# Altium PCB Motor_Board.PcbDoc (continued)
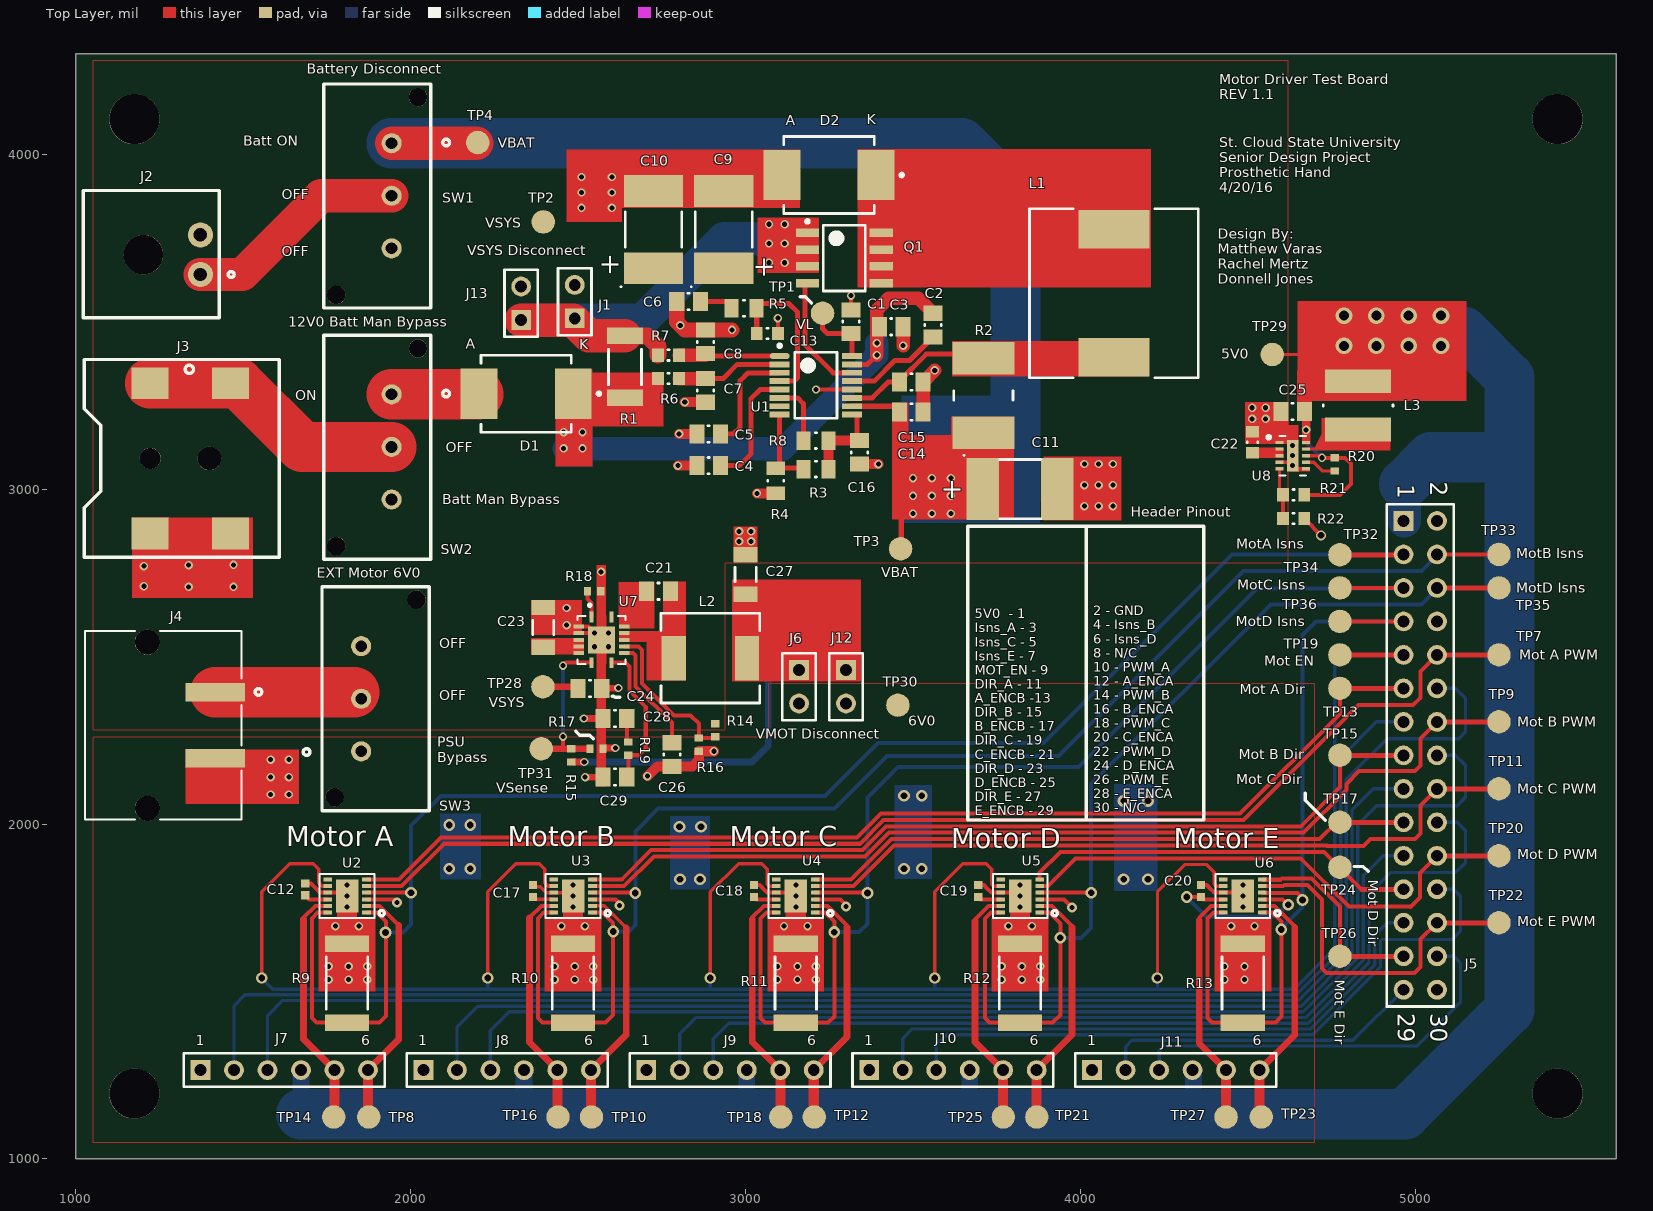
[diagram p0: Top Layer view]
## Part data (continued)
SW1 SW2 SW3: "SWITCH SLIDE SPDT 300MA 125V"
TP1 TP2 TP3 TP4 TP7 TP8 TP9 TP10 TP11 TP12 TP13 TP14 TP15 TP16 TP17 TP18 TP19 TP20 TP21 TP22 TP23 TP24 TP25 TP26 TP27 TP28 TP29 TP30 TP31 TP32 TP33 TP34 TP35 TP36: "Test Pad"
U1: "IC CNTRLR CHARGE LI+ 16-QSOP"
U2 U3 U4 U5 U6: "IC MOTOR DVR DC FULL BR 12TDFN"
U7: "IC REG BUCK ADJ 6A SYNC 14QFN"
U8: "IC REG BUCK BST 5V 0.8A 10WSON"

## Free pads (board coordinates)
  round 150 hole 150 unplated mask+7: ""(1175,4105.01)
  round 150 hole 150 unplated: ""(1175,1195) ""(5425,1195.01) ""(5425,4105.01)

## Via types
v1: diameter 25, hole 15, Top Layer to Bottom Layer, tented both sides, 120 vias
v2: diameter 35, hole 20, Top Layer to Bottom Layer, tented both sides, 28 vias
v3: diameter 25, hole 15, Top Layer to Bottom Layer, 18 vias
v4: diameter 50, hole 30, Top Layer to Bottom Layer, tented both sides, 8 vias
v5: diameter 34, hole 20, Top Layer to Bottom Layer, tented both sides, 5 vias
v6: diameter 30, hole 15, Top Layer to Bottom Layer, tented both sides, 4 vias
v7: diameter 27, hole 15, Top Layer to Bottom Layer, 4 vias
v8: diameter 30, hole 20, Top Layer to Bottom Layer, tented both sides, 1 vias

## Nets (pads, with @x,y where several pads share a name; then routed paths per layer and width w, separated by ;. In a path a pad name is that pad's centre, name@x,y a point inside that pad or via, vN(x,y) a via of type N, cw(c..) or ccw(c..) an arc to the next point about the centre after c; other vN are vias at no path point)
3V3: J5.1
5V0: C25.2 J7.4 J8.4 J9.4 J10.4 J11.4 L3.2 R20.2 R21.1 TP29.1 U8.8 U8.10 | length 7666.4
  Top Layer w10: TP29.1 4758,3402 ; U8.8 4715,3100 v1(4721.31,3093.69)
  Top Layer w12: R21.1 4775,2983 4808,3016 4808,3076 4790.31,3093.69 R20.2 v1(4721.31,3093.69)
  Bottom Layer w12: v1(4674,3177) 4674,3141 v1(4721.31,3093.69)
  Bottom Layer w50: 1672.5,1133 J7.4 ; 2338.12,1139.38 J8.4 ; 3003.75,1136.25 J9.4 ; 3669.38,1143.12 J10.4 ; J11.4 4337.5,1262.5 4337.5,1133
  Bottom Layer w100: 4967,2905 4967,3015
  Bottom Layer w150: 1672.5,1133 4337.5,1133 4969,1133 5281,1445 5281,3095 ; 4967,3015 5047,3095 5281,3095 ; 5041,3470 5144,3470 5281,3333 5281,3095
  other v4: 4787,3428 4883.67,3428 4980.33,3428 5077,3428 4787,3518 4883.67,3518 4980.33,3518 5077,3518
6V0: C12.2 C17.2 C18.2 C19.2 C20.2 J6.2 J12.2 SW3.1 TP30.1 U2.3 U2.10 U3.3 U3.10 U4.3 U4.10 U5.3 U5.10 U6.3 U6.10 | length 1211.7
  Top Layer w10: C17.2@2372.13,1775.16 U3.10
  Top Layer w12: C12.2 1697.13,1775.16 U2.10 ; U2.3 1949.84,1775.16 v6(1959,1766) ; U3.3 2611.84,1775.16 2623,1764 v6(2623,1757) ; C18.2@3032.13,1775.16 U4.10 ; U4.3 3283.84,1775.16 3300,1759 v6(3300,1754) ; C19.2 3702.13,1775.16 U5.10 ; U5.3 3950.84,1775.16 v6(3975.02,1750.98) ; v2(4317.28,1782.28) C20.2 4367.13,1775.16 U6.10 ; U6.3@4543.07,1775.06 4602.94,1775.06 4619,1759 v2(4621,1759)
  Bottom Layer w12: v6@2618,1771 2623,1766 v6(2623,1757) ; v2(4317.28,1782.28) 4375.57,1724 4584,1724 4621,1761 v2(4621,1759)
  other v2: 2804,1835 2864,1835 4129,1835 4202,1835 2115,1866 2178,1866 3473,1866 3526,1866 2803,1992 2867,1992 2115,1997 2178,1997 4129,2069 4202,2069 3473,2084 3526,2084
12V0: D1.2 SW2.1 | length 259.5
  Top Layer w150: SW2.1 D1.2@2202.51,3283
DIR1: J5.11 TP13.1 U2.6 | length 3377.9
  Top Layer w12: U2.6 1965.21,1834.21 2091,1960 3333.26,1960 3404.26,2031 4477,2031 4775,2329 TP13.1
  Top Layer w15: TP13.1 J5.11
DIR2: J5.15 TP15.1 U3.6 | length 2631.2
  Top Layer w12: U3.6 2630.34,1834.21 2718.13,1922 3349,1922 3420,1993 4658,1993 4775,2110 TP15.1
  Top Layer w15: TP15.1 J5.15
DIR3: J5.19 TP17.1 U4.6 | length 1827.7
  Top Layer w12: U4.6 3314.95,1834.21 3435.74,1955 4714,1955 4764,2005 TP17.1
  Top Layer w15: TP17.1 J5.19
DIR4: J5.23 TP24.1 U5.6 | length 1179.1
  Top Layer w12: U5.6@3878.07,1834.93 3878.07,1855.07 3940,1917 4728,1917 4840,1805
  Top Layer w15: 4840,1805 J5.23
DIR5: J5.27 TP26.1 U6.6 | length 606.9
  Top Layer w12: U6.6 4543.76,1833.53 4597.65,1833.53 4601.63,1837.5 4690.5,1837.5 4775,1753 TP26.1
  Top Layer w15: TP26.1 J5.27
ENABLE: J5.9 TP19.1 U2.8 U3.8 U4.8 U5.8 U6.8 | length 7370.4
  Top Layer w10: v5(1555,1540) 1555,1797 1639,1881 1709,1881 1725,1865 1725,1825 1735.47,1814.53 U2.8 ; v5(2230,1540) 2230,1797 2314,1881 2384,1881 2400,1865 2400,1825 2400.47,1825 2409.16,1816.31 ; v5(2895,1540) 2895,1797 2979,1881 3049,1881 3065,1865 3065,1820 3070.47,1814.53 U4.8 ; v5(3565,1540) 3565,1797 3649,1881 3719,1881 3735,1865 3735,1820 3740.47,1814.53 U5.8 ; v5(4230,1540) 4230,1797 4312,1879 4377,1879 4400,1856 4400,1820 4405.47,1814.53 U6.8 ; 2409.16,1816.31 2410.94,1814.53 U3.8 2425.15,1816.31 2409.16,1816.31
  Top Layer w15: TP19.1 J5.9
  Bottom Layer w10: v5(1555,1540) 1588,1507 3565,1507 ; 2230,1508 v5(2230,1540) ; 2895,1508 v5(2895,1540) ; v5(3565,1540) 3565,1507 ; 4230,1508 v5(4230,1540) ; J5.9 4790,2505 4760,2475 4760,1629 4638,1507 3565,1507
GND: C1.2 C3.2 C4.2 C5.2 C6.1 C7.1 C8.1 C9.2 C10.2 C11.2 C12.1 C13.1 C14.2 C15.1 C16.1 C17.1 C18.1 C19.1 C20.1 C22.1 C23.1 C24.1 C25.1 C26.1 C27.1 C28.1 C29.1 D2.2 J2.2 J3.2 J3.3 J4.2 J5.2 J7.1 J8.1 J9.1 J10.1 J11.1 R4.1 R9.1 R10.1 R11.1 R12.1 R13.1 R16.1 R17.1 R18.1 R22.1 U1.12 U2.9 U2.13 U3.9 U3.13 U4.9 U4.13 U5.9 U5.13 U6.9 U6.13 U7.2 U7.3 U7.15 U8.1 U8.4 U8.6 U8.11 | length 2186.8
  Top Layer w10: C17.1@2370,1812.72 2387.28,1812.72 2405.16,1794.84 U3.9 2475.16,1794.84 v3(2485,1785)
  Top Layer w12: C12.1 1701.83,1822.72 1729.7,1794.84 U2.9 U2.13@1800.16,1794.84 ; U7.3 2548.35,2569.69 v7(2549.33,2570.67) 2530.83,2589.17 2501.99,2589.17 U7.2 ; C18.1 3042.28,1817.72 3047,1813 3047,1812.54 3064.7,1794.84 U4.9 3140.16,1794.84 v3(3150,1785) ; C13.1 v1(3096.5,3510.5) ; v1(3210.5,3297.5) U1.12 ; C1.2 v1(3315,3578) ; C19.1 3712.28,1817.72 3717,1813 3717,1812.54 3734.7,1794.84 U5.9 3810.16,1794.84 v3(3820,1785) ; C20.1 4377.28,1817.72 4382,1813 4382,1812.54 4399.7,1794.84 U6.9 4475.16,1794.84 v3(4485,1785) ; R22.1 v8(4718.5,2862)
  Top Layer w20: v1(2517,2315) C28.1 ; v1(2521,2140) C29.1 ; C24.1 v1@2614,2405 ; R17.1@2576.69,2227 v1(2611,2227)
  Top Layer w30: v1(2707,2143) 2708,2143 2736.54,2171.54 C26.1 2841.54,2171.54 2860.39,2190.39 R16.1 v1(2905.28,2217.28) ; v1(2798,3070) C4.2 ; v1(2802,3165) C5.2 ; v1(2818.43,3259.57) C7.1 ; v1(3034.4,2987.6) R4.1 ; C16.1 v1(3396.57,3074.57)
  Top Layer w40: v1(3470.43,3428.43) C3.2 ; C14.2 C15.1 v1(3565,3354.57)
  Top Layer w45: C6.1 2794.57,3499.43 2818.57,3475.43 C8.1 v1(2959.57,3475.43)
  other v1: 1755,1535 1815,1535 1870,1535 2430,1535 2490,1535 2545,1535 3095,1535 3155,1535 3210,1535 3765,1535 3825,1535 3880,1535 4430,1535 4490,1535 1755,1575 1815,1575 1870,1575 2430,1575 2490,1575 2545,1575 3095,1575 3155,1575 3210,1575 3765,1575 3825,1575 3880,1575 4430,1575 4490,1575 1775,1695 1845,1695 2450,1695 2520,1695 3115,1695 3185,1695 3785,1695 3855,1695 4450,1695 4520,1695 1582,2088 1636,2088 1582,2140 1636,2140 1582,2192 1636,2192 2620,2406 2466,2594 2466,2645 1337,2708 1471,2708 1203,2710 2569,2753 1203,2770 1337,2773 1471,2774 2981,2844 3017,2844 2981,2874 3017,2874 4012,2949 4054.5,2949 4097,2949 4012,3012 4054.5,3012 4097,3012 4012,3075 4054.5,3075 4097,3075 4513,3210 4553,3210 4513,3243 4553,3243 2805,3489 2510,3840 2601,3840 2510,3886 2601,3886 2510,3932 2601,3932
  other v3: 1810,1751.54 2485,1751.54 3150,1751.54 3820,1751.54 4485,1751.54 1810,1785 1810,1817.48 2485,1817.48 3150,1817.48 3820,1817.48 4485,1817.48 4634,3070 4634,3100 4634,3130
  other v7: 2549.33,2529.33 2590.67,2529.33 2590.67,2570.67
"MOTOR A ISENSE": J5.3 R9.2 TP32.1 U2.1 U2.4 U2.12 | length 4946.8
  Top Layer w12: U2.12 1722.4,1735.79 1705,1718.38 1705,1420 1718.11,1406.89 R9.2 1906.89,1406.89 1926,1426 1926,1709 1899.21,1735.79 U2.1 ; U2.4 2000.84,1794.84 v2(2001,1795)
  Top Layer w15: TP32.1 4966,2804 J5.3@4967,2805
  Bottom Layer w12: v2(1925,1676) 1977,1676 2001,1700 v2(2001,1795) 2001,1995 2090,2084 3238,2084 3396,2242 3890,2242 4453,2805 J5.3@4967,2805
"MOTOR A M1": J7.6 TP8.1 U2.2 | length 728.1
  Top Layer w12: U2.2 1906.53,1755.47 1964,1698
  Top Layer w20: J7.6 1964,1356.5 1964,1698
  Top Layer w30: TP8.1@1872.5,1127.5 J7.6
"MOTOR A M2": J7.5 TP14.1 U2.11 | length 717.6
  Top Layer w12: 1680,1716 1680,1720.25 1715.22,1755.47 U2.11
  Top Layer w20: 1680,1716 1680,1357.5 J7.5
  Top Layer w30: TP14.1@1772.5,1127.5 J7.5
"MOTOR B ISENSE": J5.4 R10.2 TP33.1 U3.1 U3.4 U3.12 | length 4344.1
  Top Layer w12: U3.12 2397.4,1735.79 2380,1718.38 2380,1420 2393.11,1406.89 R10.2 2581.89,1406.89 2604,1429 2604,1704.54 2572.76,1735.79 U3.1 ; U3.4 2670.16,1794.84 v2(2670.94,1794.06) ; J5.4@5067,2805 TP33.1
  Bottom Layer w12: v2(2605,1679) 2652,1679 2670.94,1697.94 v2(2670.94,1794.06) 2670.94,1977.94 2739,2046 3266,2046 3423,2203 3934,2203 4487,2756 5018,2756 J5.4@5067,2805
"MOTOR B M1": J8.6 TP10.1 U3.2 | length 735
  Top Layer w10: U3.2 2578.53,1755.47 2644,1690
  Top Layer w20: J8.6 2644,1370.88 2644,1690
  Top Layer w30: TP10.1@2538.12,1126.88 J8.6
"MOTOR B M2": J8.5 TP16.1 U3.11 | length 714.3
  Top Layer w12: 2355,1719 2355,1720.25 2390.22,1755.47 U3.11
  Top Layer w20: 2355,1719 2355,1348.12 J8.5
  Top Layer w30: TP16.1@2438.12,1126.88 J8.5
"MOTOR C ISENSE": J5.5 R11.2 TP34.1 U4.1 U4.4 U4.12 | length 3634.1
  Top Layer w12: U4.12 3062.4,1735.79 3045,1718.38 3045,1420 3058.11,1406.89 R11.2 3246.89,1406.89 3265,1425 3265,1708.38 3237.6,1735.79 U4.1 ; U4.4 3363.16,1794.84 v2(3364,1794) ; TP34.1 J5.5@4967,2705
  Bottom Layer w12: v2(3264.84,1677.16) 3339.16,1677.16 3364,1702 v2(3364,1794) 3364,2079 3455,2170 3994,2170 4527,2703 4965,2703 J5.5@4967,2705
"MOTOR C M1": J9.6 TP12.1 U4.2 | length 731.2
  Top Layer w12: U4.2 3244.78,1755.47 3303,1697.25 3303,1692
  Top Layer w20: J9.6 3303,1364.25 3303,1692
  Top Layer w30: TP12.1@3203.75,1126.25 J9.6
"MOTOR C M2": J9.5 TP18.1 U4.11 | length 715.2
  Top Layer w12: 3020,1715 3020,1720.25 3055.22,1755.47 U4.11
  Top Layer w20: 3020,1715 3020,1348.75 J9.5
  Top Layer w30: TP18.1@3103.75,1126.25 J9.5
"MOTOR D ISENSE": J5.6 R12.2 TP35.1 U5.1 U5.4 U5.12 | length 3089.4
  Top Layer w12: U5.12 3732.4,1735.79 3715,1718.38 3715,1420 3728.11,1406.89 R12.2 3916.89,1406.89 3940,1430 v2(3940,1660) 3940,1703.38 3907.6,1735.79 U5.1 ; U5.4 3878.23,1795 v2(4032,1795)
  Top Layer w15: J5.6@5067,2705 TP35.1
  Bottom Layer w12: v2(3940,1660) 4002,1660 4032,1690 v2(4032,1795) 4032,2119 4569,2656 5018,2656 J5.6@5067,2705
"MOTOR D M1": J10.6 TP21.1 U5.2 | length 735.3
  Top Layer w12: U5.2 3914.78,1755.47 3975,1695.25 3975,1692
  Top Layer w20: J10.6 3975,1370.62 3975,1692
  Top Layer w30: TP21.1@3869.38,1125.62 J10.6
"MOTOR D M2": J10.5 TP25.1 U5.11 | length 718.2
  Top Layer w12: 3685,1710 3685,1715.25 3725.22,1755.47 U5.11
  Top Layer w20: 3685,1710 3685,1349.38 J10.5
  Top Layer w30: TP25.1@3769.38,1125.62 J10.5
"MOTOR E ISENSE": J5.7 R13.2 TP36.1 U6.1 U6.4 U6.12 | length 2487.6
  Top Layer w12: U6.12 4397.4,1735.79 4380,1718.38 4380,1420 4393.11,1406.89 R13.2 4581.89,1406.89 4600,1425 4600,1708.38 4572.6,1735.79 U6.1 ; U6.4 4543.85,1794.06 4647.94,1794.06 4663,1779 v2(4663,1773) ; TP36.1 J5.7@4967,2605
  Bottom Layer w12: v2(4599.84,1685.16) 4599.84,1689.16 4663,1752.32 v2(4663,1773) 4663,2564 4704,2605 J5.7@4967,2605
"MOTOR E M1": J11.6 TP23.1 U6.2 | length 730.6
  Top Layer w12: U6.2 4579.78,1755.47 4640,1695.25 4640,1692
  Top Layer w20: J11.6 4640,1370 4640,1692
  Top Layer w30: TP23.1@4535,1130 J11.6
"MOTOR E M2": J11.5 TP27.1 U6.11 | length 714.9
  Top Layer w12: 4355,1712 4355,1720.25 4390.22,1755.47 U6.11
  Top Layer w20: 4355,1712 4355,1345 J11.5
  Top Layer w30: TP27.1 J11.5
MOTORA_ENCA: J5.12 J7.3 | length 4592
  Bottom Layer w10: J7.3 1572.5,1427.5 1618,1473 4652.08,1473 4794,1614.92 4794,2133.04 4915.96,2255 5130,2255 5150,2275 5150,2375 5120,2405 J5.12
MOTORA_ENCB: J5.13 J7.2 | length 4373.5
  Bottom Layer w10: J7.2 1472.5,1457.5 1505,1490 4645.04,1490 4777,1621.96 4777,2198 4884,2305 J5.13
MOTORB_ENCA: J5.16 J8.3 | length 3743.7
  Bottom Layer w10: J8.3 2238.12,1383.12 2294,1439 4666.17,1439 4828,1600.83 4828,1998 4885,2055 5125,2055 5150,2080 5150,2175 5120,2205 J5.16
MOTORB_ENCB: J5.17 J8.2 | length 3503.6
  Bottom Layer w10: J8.2 2138.12,1393.12 2201,1456 4659.12,1456 4811,1607.88 4811,2041 4875,2105 J5.17
MOTORC_ENCA: J5.20 J9.3 | length 2868.6
  Bottom Layer w10: J9.3 2903.75,1358.75 2950,1405 4680.25,1405 4862,1586.75 4862,1792 4925,1855 5120,1855 5150,1885 5150,1980 5125,2005 J5.20
MOTORC_ENCB: J5.21 J9.2 | length 2637.2
  Bottom Layer w10: J9.2 2803.75,1373.75 2852,1422 4673.21,1422 4845,1593.79 4845,1845 4905,1905 J5.21
MOTORD_ENCA: J5.24 J10.3 | length 2010.3
  Bottom Layer w10: J10.3 3569.38,1339.38 3601,1371 4694.33,1371 4896,1572.67 4896,1651 4900,1655 5110,1655 5135,1680 5135,1785 5115,1805 J5.24
MOTORD_ENCB: J5.25 J10.2 | length 1784.8
  Bottom Layer w10: J10.2 3469.38,1359.38 3498,1388 4687.29,1388 4879,1579.71 4879,1667.83 4916.17,1705 J5.25
MOTORE_ENCA: J5.28 J11.3 | length 1215.1
  Bottom Layer w10: J11.3 4235,1325 4247,1337 5005,1337 5135,1467 5135,1585 5115,1605 J5.28
MOTORE_ENCB: J5.29 J11.2 | length 970.4
  Bottom Layer w10: J11.2 4135,1335 4154,1354 4814,1354 J5.29
NetC1_1: C1.1 TP1.1 U1.16 | length 205.4
  Top Layer w15: TP1.1 3230,3479 3244.43,3464.57 C1.1 3318.27,3461.3 U1.16
NetC2_1: C2.1 C3.1 D1.1 R1.2 R6.1 U1.15 | length 1508.5
  Top Layer w15: U1.15 3364.5,3372.5 v1(3392,3400)
  Top Layer w40: v1(3392,3400) v1(3392,3436) 3392,3535 3427,3570 3515.43,3570 C2.1
  Bottom Layer w50: v1(2457,3122) v1@2458.5,3120.5
  Bottom Layer w70: v1@2458.5,3120.5 3112.5,3120.5 v1(3392,3400) v1(3392,3436)
  other v1: 2513,3122 2457,3170 2513,3170
NetC2_2: C2.2 U1.13 | length 296.5
  Top Layer w15: U1.13 3384.5,3322.5 3446,3384 3451.93,3384 3452,3383.93 3489.37,3383.93 C2.2
NetC4_1: C4.1 U1.5 | length 367.2
  Top Layer w15: C4.1 2981,3070 3017,3106 3017,3271 3043.5,3297.5 U1.5
NetC5_1: C5.1 U1.3 | length 333.3
  Top Layer w15: C5.1 2964,3165 2984,3185 2984,3324 3007.5,3347.5 U1.3
NetC6_2: C6.2 R5.2 | length 100.4
  Top Layer w15: C6.2 2937.6,3560 R5.2
NetC7_2: C7.2 R6.2 U1.2 | length 317.8
  Top Layer w15: C7.2@2879.57,3330 C7.2 2933.43,3330.43 2975.5,3372.5 U1.2
  Top Layer w40: R6.2 C7.2@2879.57,3330
NetC8_2: C8.2 R7.2 U1.1 | length 301.3
  Top Layer w15: C8.2@2880,3400 2882.5,3397.5 U1.1
  Top Layer w40: R7.2 C8.2@2880,3400
NetC13_2: C13.2 R5.1 U1.4 | length 468.8
  Top Layer w15: C13.2 3033.5,3538.9 R5.1 3046.4,3554 3130,3554 3155.5,3528.5 3155.5,3332.5 3145.5,3322.5 U1.4
NetC15_2: C15.2 L1.2 R2.2 U1.11 | length 452.4
  Top Layer w15: U1.11 3378.5,3272.5 3426,3320 C15.2 3459.57,3323.02 3539.55,3403 3698.22,3403 R2.2
NetC21_1: C21.1 L2.1 U7.11 U7.12
NetC21_2: C21.2 U7.13
NetC26_2: C26.2 U7.9 | length 342.6
  Top Layer w12: U7.9 2664.38,2510.62 2672,2503 2672,2411 2780.39,2302.61 C26.2
NetC27_2: C27.2 J6.1 J12.1 L2.2 R15.2 | length 909.8
  Top Layer w20: R15.2 v1(2518.31,2185.31)
  Bottom Layer w20: v1(2518.31,2185.31) 3019.31,2185.31 3068,2234 3068,2432 3096,2460 J6.1
NetC28_2: C28.2 R19.1 | length 65.7
  Top Layer w12: R19.1@2645.43,2249.25 C28.2
NetC29_2: C29.2 R19.2 U7.8 | length 450.5
  Top Layer w12: U7.8 2641.01,2481.99 2653,2470 2653,2399 2702,2350 2702,2226 2681.31,2205.31 R19.2 2650,2144.57 C29.2
NetD2_1: D2.1 L1.1 Q1.5 Q1.6 Q1.7 Q1.8
NetJ1_1: J1.1 J13.1 Q1.1 Q1.2 Q1.3 R1.1 R7.1 | length 1355.8
  Top Layer w50: R1.1 2707.48,3457.52 2738.5,3426.5 R7.1
  Top Layer w100: J13.1 2485,3505 2532.48,3457.52 R1.1
  Bottom Layer w100: J13.1 2693,3505 2935,3747 3118,3747
  other v1: 3070,3676 3117,3676 3070,3733.5 3117,3733.5 3070,3791 3117,3791
NetJ2_1: J2.1 SW1.2 | length 668.1
  Top Layer w100: J2.1 1496.94,3640.94 1732,3876 SW1.2
NetJ3_1: J3.1 SW2.2 | length 799.9
  Top Layer w150: J3.1@1222,3316.41 1462.16,3316.41 1485.59,3316.41 1676,3126 SW2.2
NetJ4_1: J4.1 SW3.2 | length 416.2
  Top Layer w150: J4.1 SW3.2@1832.57,2393.43
NetL3_1: L3.1 U8.9 | length 127.2
  Top Layer w10: U8.9 4737.69,3119.68 ; L3.1@4766,3178 L3.1
NetQ1_4: Q1.4 U1.14 | length 366.3
  Top Layer w15: Q1.4 3177.5,3615 3177.5,3431.5 3261.5,3347.5 U1.14
NetR3_1: R3.1 R4.2 U1.8 | length 232
  Top Layer w15: R4.2 3170.2,3062.4 R3.1 ; R4.2@3101.73,3074.13 U1.8
NetR8_1: R8.1 U1.6 | length 188.4
  Top Layer w15: U1.6 3155.5,3272.5 3172.6,3255.4 R8.1
NetR14_2: R14.2 R16.2 U7.10 | length 475
  Top Layer w12: U7.10 2679.69,2530.31 2691,2519 2691,2418.87 2785.87,2324 2836,2324 2860.39,2299.61 R16.2 2860.71,2256.97 R14.2@2915.71,2256.97
NetR15_1: R15.1 R17.2 TP31.1 U7.7 | length 482.6
  Top Layer w12: 2454,2224.68 2455,2225.68 v1(2455,2261) ; v1(2455,2473) 2463.99,2481.99 U7.7
  Top Layer w20: TP31.1@2390.32,2224.68 2454,2224.68 R15.1 ; R15.1@2480.32,2225 R17.2
  Bottom Layer w12: v1(2455,2261) v1(2455,2473)
NetR18_2: R18.2 U7.1 | length 82
  Top Layer w12: R18.2@2528.41,2695 2528.41,2671.9 2540.47,2659.84 U7.1
NetR20_1: R20.1 U8.7 | length 97.3
  Top Layer w10: U8.7 4696.69,3080.32 4722.69,3054.32 R20.1
NetR21_2: R21.2 R22.2 U8.5 | length 153.2
  Top Layer w10: U8.5 4594.5,2994 R21.2
  Top Layer w12: R22.2 R21.2
PWM1: J5.10 TP7.1 U2.5 | length 3713.6
  Top Layer w12: U2.5 1972.4,1814.53 2098.87,1941 3341.13,1941 3412.13,2012 4487,2012 4830,2355 4993,2355 5015,2377 5015,2455 J5.10
  Top Layer w15: J5.10 TP7.1
PWM2: J5.14 TP9.1 U3.5 | length 2968
  Top Layer w12: U3.5 2637.53,1814.53 2726,1903 3356.87,1903 3427.87,1974 4665.87,1974 4794,2102.13 4794,2120 4832,2158 4999,2158 5015,2174 5015,2255 J5.14
  Top Layer w15: J5.14 TP9.1
PWM3: J5.18 TP11.1 U4.5 | length 2212.3
  Top Layer w12: U4.5 3322.14,1814.53 3443.61,1936 4735.87,1936 4736.87,1935 4846,1935 4866,1955 4999,1955 5015,1971 5015,2055 J5.18
  Top Layer w15: J5.18 TP11.1
PWM4: J5.22 TP20.1 U5.5 | length 1572.9
  Top Layer w12: U5.5@3878.07,1814.43 3903.43,1814.43 3986,1897 4658,1897 4802,1753 4985,1753 4986,1752 5014,1780 5014,1854 J5.22
  Top Layer w15: J5.22 TP20.1
PWM5: J5.26 TP22.1 U6.5 | length 1049.2
  Top Layer w12: U6.5 4605.52,1814.53 4609.5,1818.5 4677.63,1818.5 4721,1775.13 4721,1569 4735,1555 4998,1555 5016,1573 5016,1656 J5.26
  Top Layer w15: J5.26 TP22.1
VBAT: C11.1 C14.1 R2.1 SW1.1 TP3.1 TP4.1 U1.10 | length 3364.7
  Top Layer w15: U1.10 C14.1@3442.07,3247.5 ; TP3.1@3465,2814 3465,2972.22
  Top Layer w100: SW1.1 TP4.1@2198,4033
  Bottom Layer w150: SW1.1 3645,4033 3806,3872 3806,2974
  other v1: 3500,2927 3556.5,2927 3613,2927 3500,2980 3556.5,2980 3613,2980 3500,3033 3556.5,3033 3613,3033
VREF: C16.2 R3.2 R8.2 U1.9 | length 272.8
  Top Layer w15: U1.9 3333.5,3222.5 3333.5,3151.93 C16.2
  Top Layer w30: R3.2 R8.2 3247.83,3145.43 C16.2
VSYS: C9.1 C10.1 C22.2 C23.2 C24.2 J1.2 J13.2 R14.1 SW2.3 TP2.1 TP28.1 U7.4 U7.5 U7.6 U8.2 U8.3 | length 108.1
  Top Layer w20: TP28.1 2494.57,2410 C24.2 ; J1.2 J1.2@2491,3611
pads on no net: J2. J3. J4. J5.8 J5.30 SW1. SW1.3 SW2. SW3. SW3.3 U1.7 U2.7 U3.7 U4.7 U5.7 U6.7 U7.14

## Polygon pours and split planes (outlines as drawn)
GND on Bottom Layer "Top Layer-No Net" (solid, shelved, pour order 0): 1050,4250 5550,4250 5550,1050 1050,1050
VSYS on Top Layer "VSYS Top Layer" (solid, remove dead copper, shelved, pour order 12): 1050,2282 2939,2282 2939,2780 4621,2780 4621,4280 1050,4280
6V0 on Top Layer "6V0 Top Layer" (solid, remove dead copper, shelved, pour order 8): 4700,1050 4700,1757.28 4700,1919 4700,2419 3528,2419 3068,2419 3068,2259.1 1050,2258.93 1050,1050

## Other copper
Top Layer:
  rectangle net GND: 2466,3797 2631,3871
  rectangle net GND: 2466,3839 3163,4014
  rectangle net NetC21_2: 2621,2616 2728,2723
  rectangle net NetC21_2: 2622,2584 2728,2633
  rectangle net GND: 2964,2782 3035,2889
  rectangle net GND: 3890,2907 4122,3097
  rectangle net VSYS: 4494,3093 4606,3125
  rectangle net NetJ1_1: 3036,3645 3219,3811
  rectangle net NetC2_1: 2432,3068 2543,3357
  rectangle net NetC15_2: 3616,3337 4204,3443
  rectangle net VBAT: 3437,2909 3486,3258
  rectangle net NetD2_1: 3334,3602 4211,4015
  rectangle net VBAT: 3465,2909 3802,3162
  rectangle net VBAT: 3614,2909 3802,3217
  rectangle net 5V0: 4648,3263 5153,3562
  rectangle net 5V0: 4647,3204 4692,3354
  rectangle net GND: 4492,3191 4621,3260
  rectangle net GND: 4492,3135 4651,3191
  rectangle net 5V0: 4662,3134 4687,3261
  region net NetL3_1: 4700.4,3124.8 4720,3115 4743.6,3162.2 4724,3172
  rectangle net NetL3_1: 4720,3115 4926,3213
  rectangle net GND: 1168,2675 1529,2916
  rectangle net GND: 1328,2060 1667,2222
  rectangle net NetC21_1: 2753,2530 2822,2724
  rectangle net VSYS: 2359,2506 2518,2555
  rectangle net GND: 2360,2564 2512,2669
  rectangle net GND: 2555.24,2112 2584,2774
  rectangle net NetC21_1: 2704,2428 2822,2576
  rectangle net NetC21_1: 2622,2544 2822,2576
  rectangle net NetC27_2: 2960,2425 3345,2730
  rectangle net GND: 3790,1715 3850,1755
  rectangle net GND: 3120,1715 3180,1755
  rectangle net GND: 2455,1715 2515,1755
  rectangle net GND: 1780,1715 1840,1755
  rectangle net GND: 4400,1500 4570,1720
  rectangle net GND: 3735,1500 3905,1720
  rectangle net GND: 3065,1500 3235,1720
  rectangle net GND: 2400,1500 2570,1720
  rectangle net GND: 1725,1500 1895,1720
  rectangle net GND: 4583,3075 4628,3085
  rectangle net GND: 4618,3053 4686,3066
  rectangle net NetC2_1: 2539,3187 2755,3348
  text ".layer_Name" at 2416.5,817.4 h80
Bottom Layer:
  rectangle net NetC2_1: 2433,3068 2544,3204
  rectangle net NetJ1_1: 3038,3647 3219,3810
  rectangle net VBAT: 3465,2899 3879,3279
  rectangle net 6V0: 4101,1800 4230,2120
  rectangle net 6V0: 3445,1836 3557,2117
  rectangle net 6V0: 2775,1804 2894,2024
  rectangle net 6V0: 2087,1834 2210,2032
  rectangle net 5V0: 4732,3356 5153,3561
  text ".layer_Name" at 2429.5,812.4 h80

## Silkscreen, mask and mechanical layers (free items; w line width, h text height)
Top Overlay:
  lines w10: 2492.5,2277.5 2505,2265 2535,2265 2545,2255 ; 2601,2381 2607,2381 2610,2378 2625,2378 ; 3162.72,3574 3178,3574 3197,3555 ; 4017,2016 4017,2887 ; 4671,2092 4671,2076 4671,2071 4731,2011 ; 4818,1873 4845,1873 4859.5,1858.5 ; 3664,2012 3664,2889 4368,2889 4368,2012 3664,2012
  text "Battery Disconnect" at 1690,4240 h30
  text "Motor Driver Test Board / REV 1.1" at 4415,4163.6 h30
  text "K" at 3362,4090 h30
  text "A" at 3120,4086 h30
  text "Batt ON" at 1500,4025 h30
  text "VBAT" at 2260,4020 h30
  text "St. Cloud State University / Senior Design Project / Prosthetic Hand / 4/20/16" at 4415,3886 h30
  text "OFF" at 1615,3865 h30
  text "VSYS" at 2222,3780 h30
  text "VSYS Disconnect" at 2169,3698 h30
  text "OFF" at 1615,3695 h30
  text "Design By: / Matthew Varas / Rachel Mertz / Donnell Jones" at 4410,3613 h30
  text "12V0 Batt Man Bypass" at 1635,3485 h30
  text "VL" at 3152,3478 h30
  text "A" at 2164,3419 h30
  text "K" at 2503,3417 h30
  text "5V0" at 4421,3389 h30
  text "ON" at 1655,3265 h30
  text "OFF" at 2105,3110 h30
  text "Batt Man Bypass" at 2095,2955 h30
  text "Header Pinout" at 4150,2918 h30
  text "MotA Isns" at 4466,2822 h30
  text "MotB Isns" at 5301,2793 h30
  text "VBAT" at 3405,2737 h30
  text "EXT Motor 6V0" at 1720,2735 h30
  text "MotC Isns" at 4468,2699 h30
  text "MotD Isns" at 5302,2691 h30
  text "MotD Isns" at 4464,2591 h30
  text "OFF" at 2085,2525 h30
  text "Mot A PWM" at 5310,2490 h30
  text "Mot EN" at 4549,2472 h30
  text "Mot A Dir" at 4476,2387 h30
  text "OFF" at 2085,2370 h30
  text "VSYS" at 2233,2348 h30
  text "6V0" at 3486,2294 h30
  text "Mot B PWM" at 5305,2290 h30
  text "VMOT Disconnect" at 3030,2255 h30
  text "Mot B Dir" at 4473,2193 h30
  text "PSU  / Bypass" at 2079,2185 h30
  text "Mot C Dir" at 4465,2119 h30
  text "VSense" at 2256,2093 h30
  text "Mot C PWM" at 5305,2090 h30
  text "2 - GND / 4 - Isns_B / 6 - Isns_D / 8 - N/C / 10 - PWM_A / 12 - A_ENCA / 14 - PWM_B / 16 - B_ENCA / 18 - PWM_C / 20 - C_ENCA / 22 - PWM_D / 24 - D_ENCA / 26 - PWM_E / 28 - E_ENCA / 30 - N/C" at 4038,2034.98 h28
  text "5V0  - 1 / Isns_A - 3 / Isns_C - 5 / Isns_E - 7 / MOT_EN - 9 / DIR_A - 11 / A_ENCB -13 / DIR_B - 15 / B_ENCB - 17 / DIR_C - 19 / C_ENCB - 21 / DIR_D - 23 / D_ENCB - 25 / DIR_E - 27 / E_ENCB - 29" at 3684,2026 h28
  text "Motor A" at 1628,1934 h60
  text "Motor B" at 2290.5,1934 h60
  text "Motor C" at 2953,1934 h60
  text "Motor D" at 3614.5,1928 h60
  text "Motor E" at 4279,1927 h60
  text "Mot D PWM" at 5305,1895 h30
  text "Mot D Dir" at 4859,1833 h30 r270
  text "Mot E PWM" at 5305,1695 h30
  text "Mot E Dir" at 4760,1535 h30 r270
  text ".layer_Name" at 2411.5,816.4 h80
Bottom Overlay:
  text ".layer_Name" at 2424.5,816.4 h80
Top Paste:
  text ".layer_Name" at 2416.5,816.4 h80
Bottom Paste:
  text ".layer_Name" at 2424.5,807.4 h80
Top Solder:
  text ".layer_Name" at 2411.5,816.4 h80
Bottom Solder:
  text ".layer_Name" at 2424.5,807.4 h80
Drill Guide:
  text ".layer_Name" at 2433.5,825.4 h80
Mechanical 1:
  drawing of 206 lines, arcs and shapes, not listed
  text "Motor Driver and PSU Test Board" at 2344.1,6678.43 h26
  text "REV 1.1" at 2345.1,6609.43 h26
  text "2 Layer FR4" at 2350.1,6438.1 h26
  text "TOP LAYER COMPONENT" at 2329.1,6299.99 h36
  text "BOTTOM LAYER COMPONENT" at 2331,6223 h36
  text "All Layers 1oz Copper" at 2326,6143 h36
  text "Total Board thickness : .062" at 2321,6068 h36
  text "Top & Bottom Solder mask Green" at 2316,5993 h36
  text "Top Overlay White, No Bottom Overlay" at 2321,5913 h36
  text "Lead Free" at 2321,5843 h36
  text "Finish = ENIG" at 2321,5763 h36
  text "Layer" at 1132.5,5372.5 h60
  text "Name" at 1542.41,5372.5 h60
  text "Material" at 2472.16,5372.5 h60
  text "Thickness" at 3331.92,5372.5 h60
  text "Constant" at 3981.76,5372.5 h60
  text "Board Layer Stack" at 4551.62,5372.5 h60
  text "1" at 1132.5,5252.5 h60
  text "Top Overlay" at 1542.41,5252.5 h60
  text "2" at 1132.5,5132.5 h60
  text "Top Solder" at 1542.41,5132.5 h60
  text "Solder Resist" at 2472.16,5132.5 h60
  text "0.40mil" at 3331.92,5132.5 h60
  text "3.5" at 3981.76,5132.5 h60
  text "3" at 1132.5,5012.5 h60
  text "Top Layer" at 1542.41,5012.5 h60
  text "Copper" at 2472.16,5012.5 h60
  text "1.40mil" at 3331.92,5012.5 h60
  text "4" at 1132.5,4892.5 h60
  text "Dielectric 1" at 1542.41,4892.5 h60
  text "FR-4" at 2472.16,4892.5 h60
  text "58.00mil" at 3331.92,4892.5 h60
  text "4.2" at 3981.76,4892.5 h60
  text "5" at 1132.5,4772.5 h60
  text "Bottom Layer" at 1542.41,4772.5 h60
  text "Copper" at 2472.16,4772.5 h60
  text "1.40mil" at 3331.92,4772.5 h60
  text "6" at 1132.5,4652.5 h60
  text "Bottom Solder" at 1542.41,4652.5 h60
  text "Solder Resist" at 2472.16,4652.5 h60
  text "0.40mil" at 3331.92,4652.5 h60
  text "3.5" at 3981.76,4652.5 h60
  text "7" at 1132.5,4532.5 h60
  text "Bottom Overlay" at 1542.41,4532.5 h60
Drill Drawing:
  text ".Legend" at 5781,2760 h30
  text ".layer_Name" at 2433.5,820.4 h80
  text ".layer_Name" at 2455.5,820.4 h80

## Text inside footprints (layer, text, board x,y; h text height)
C9: Top Overlay "+" at 3082,3628 h60 r90
C10: Top Overlay "+" at 2621.65,3636.22 h60 r90
C11: Top Overlay "+" at 3582.8,2972.44 h60
J5: Top Overlay "30" at 5045,1435 h50 r270; Top Overlay "29" at 4947,1435 h50 r270; Top Overlay "2" at 5044,3022 h50 r270; Top Overlay "1" at 4947,3015 h50 r270
J7: Top Overlay "6" at 1852.5,1340 h30; Top Overlay "1" at 1357.5,1340 h30
J8: Top Overlay "6" at 2518.12,1340 h30; Top Overlay "1" at 2023.12,1340 h30
J9: Top Overlay "6" at 3183.75,1340 h30; Top Overlay "1" at 2688.75,1340 h30
J10: Top Overlay "6" at 3849.38,1340 h30; Top Overlay "1" at 3354.38,1340 h30
J11: Top Overlay "6" at 4515,1340 h30; Top Overlay "1" at 4020,1340 h30